# Altium PCB IDC_MCX_Adapter_flex.PCBDOC (part 1 of 4) (continued)
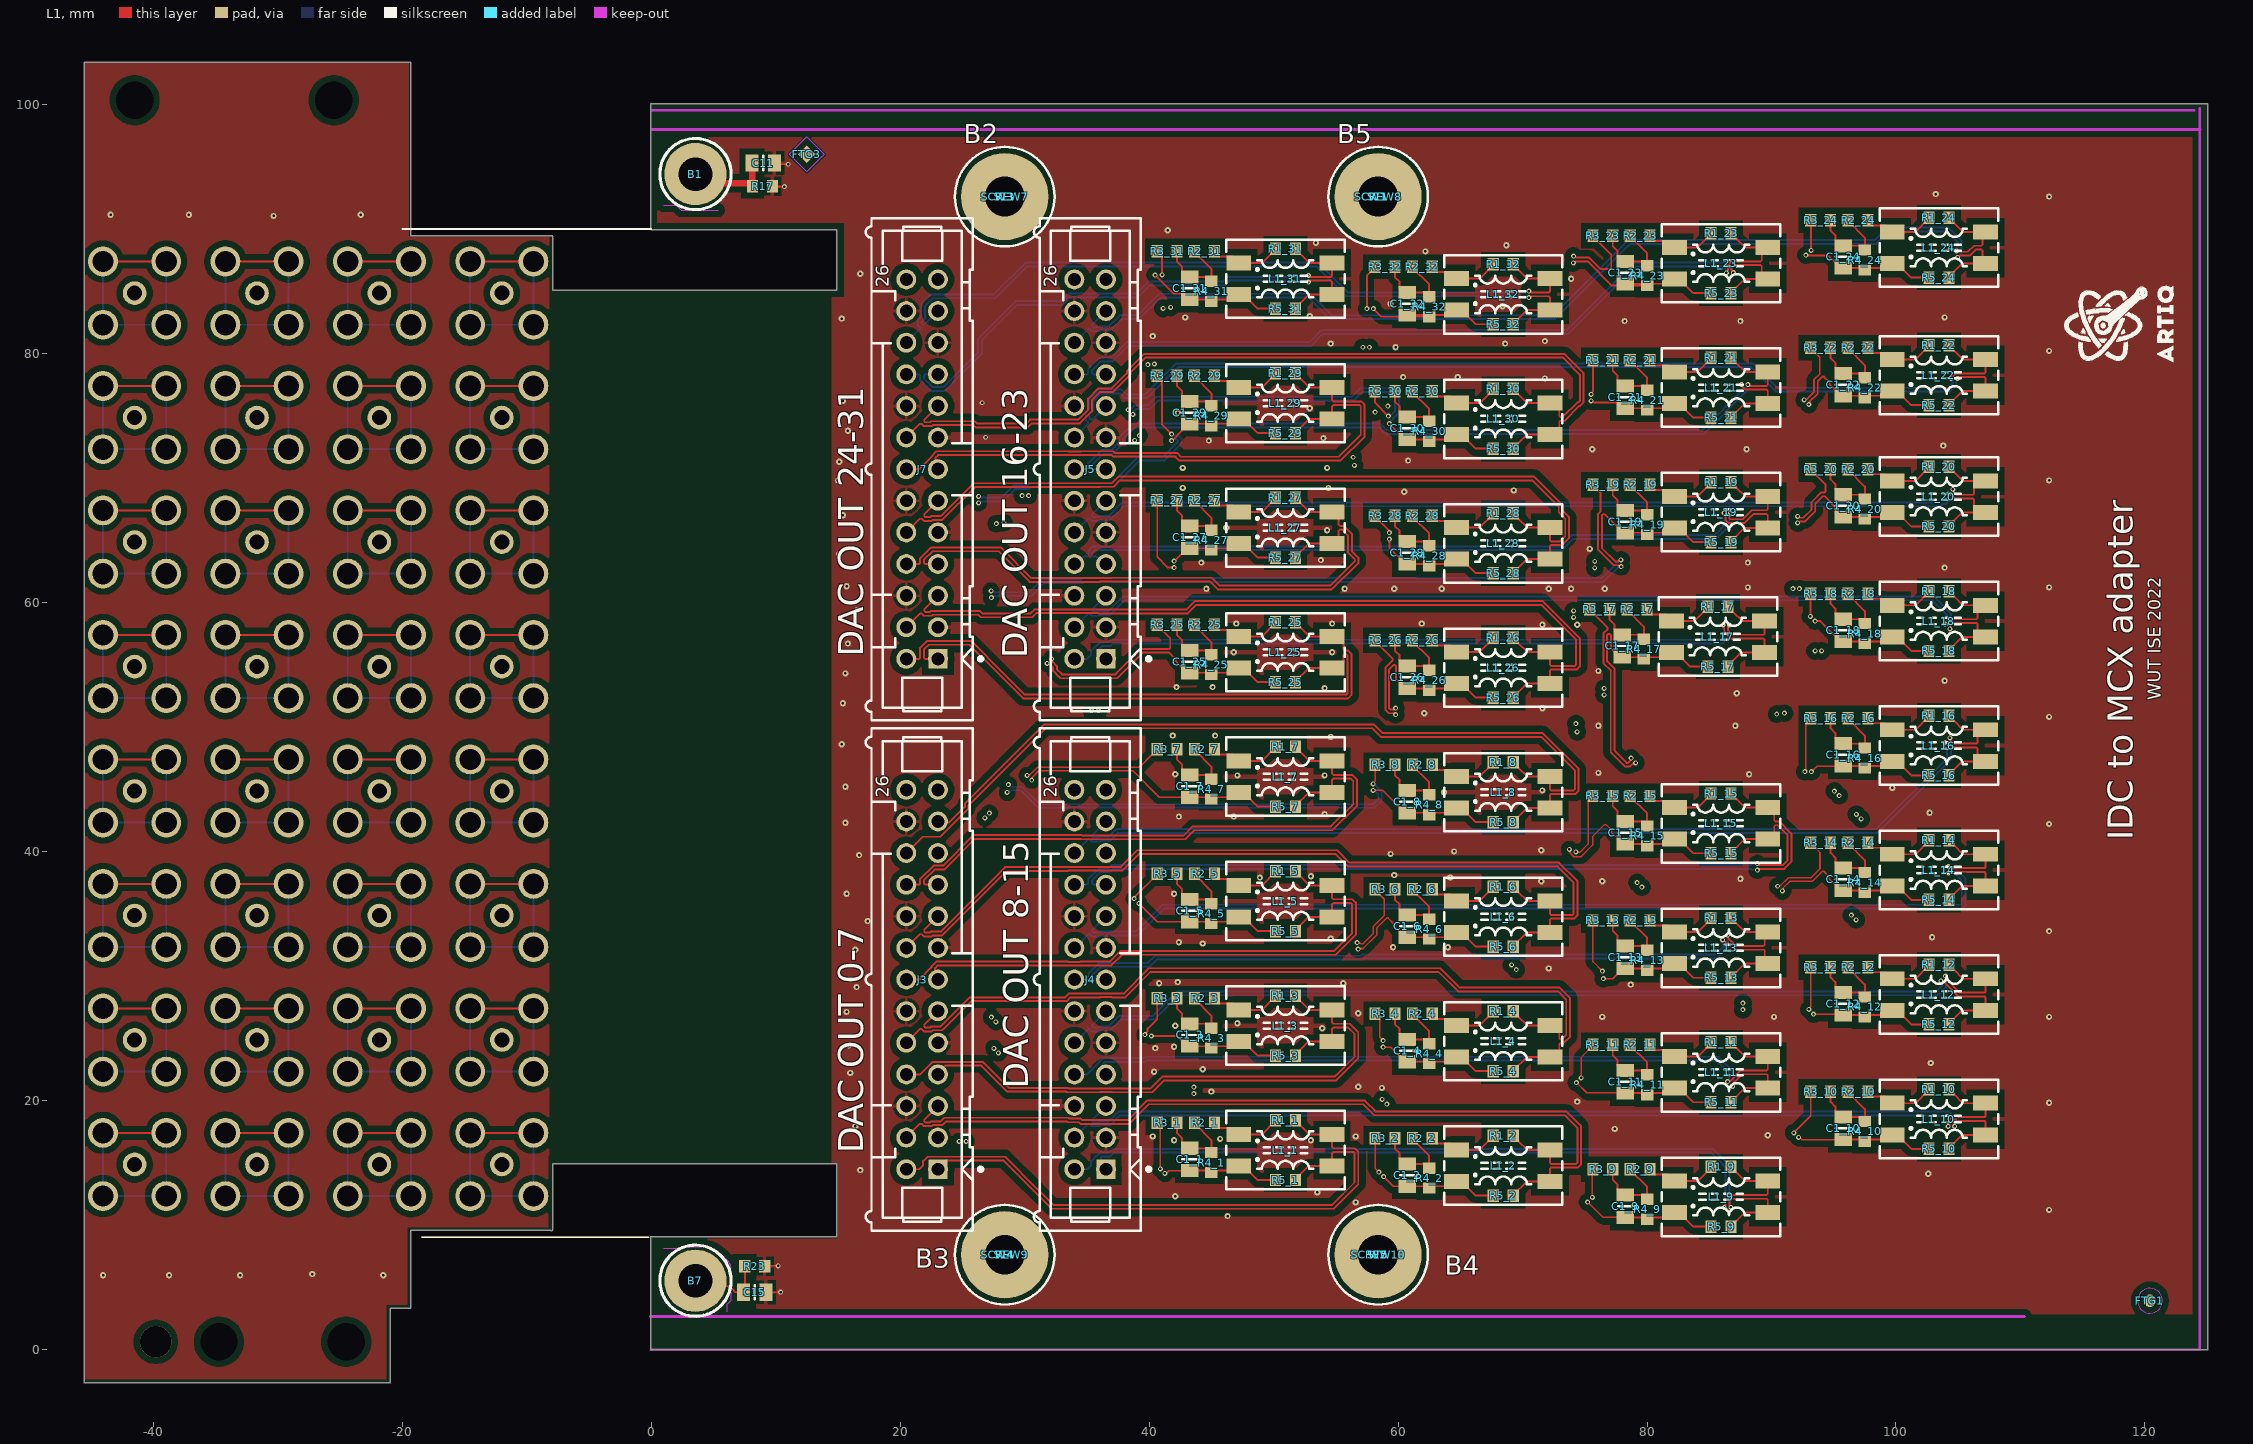
[diagram p0: L1 view]
## Components (designator, comment, footprint, x,y, rotation, side; value= is the part's Value field where it differs from the comment) (continued)
FTG4 "Use only in PCB" FIDUCIAL_TOP_S100-200 120,4.2 r90 bottom
J2 "ESW-113-23-L-D" SMTC-ESW-113-23-X-D 36.532,55.466 r90 bottom
J3 "Header 26" 3M_N2526-6002RB 21.763,29.706 r90 top locked
J4 "Header 26" 3M_N2526-6002RB 35.263,29.706 r90 top
J5 "Header 26" 3M_N2526-6002RB 35.263,70.706 r90 top locked
J6 "ESW-113-23-L-D" SMTC-ESW-113-23-X-D 36.532,14.466 r90 bottom
J7 "Header 26" 3M_N2526-6002RB 21.763,70.706 r90 top
J8 "ESW-113-23-L-D" SMTC-ESW-113-23-X-D 23.032,55.466 r90 bottom
J9 "ESW-113-23-L-D" SMTC-ESW-113-23-X-D 23.032,14.466 r90 bottom
J13 "MCX" AMPHENOL_919-109J-51PX -12,44.85 r90 bottom
J14 "MCX" AMPHENOL_919-109J-51PX -21.833,44.85 r90 bottom
J15 "MCX" AMPHENOL_919-109J-51PX -31.667,44.85 r90 bottom
J16 "MCX" AMPHENOL_919-109J-51PX -41.5,44.85 r90 bottom
J17 "MCX" AMPHENOL_919-109J-51PX -12,34.85 r90 bottom
J18 "MCX" AMPHENOL_919-109J-51PX -21.833,34.85 r90 bottom
J19 "MCX" AMPHENOL_919-109J-51PX -31.667,34.85 r90 bottom
J20 "MCX" AMPHENOL_919-109J-51PX -41.5,34.85 r90 bottom
J21 "MCX" AMPHENOL_919-109J-51PX -12,24.85 r90 bottom
J22 "MCX" AMPHENOL_919-109J-51PX -21.833,24.85 r90 bottom
J23 "MCX" AMPHENOL_919-109J-51PX -31.667,24.85 r90 bottom
J24 "MCX" AMPHENOL_919-109J-51PX -41.5,24.85 r90 bottom
J25 "MCX" AMPHENOL_919-109J-51PX -12,14.85 r90 bottom
J26 "MCX" AMPHENOL_919-109J-51PX -21.833,14.85 r90 bottom
J27 "MCX" AMPHENOL_919-109J-51PX -31.667,14.85 r90 bottom
J28 "MCX" AMPHENOL_919-109J-51PX -41.5,14.85 r90 bottom
J29 "MCX" AMPHENOL_919-109J-51PX -12,84.85 r180 bottom
J30 "MCX" AMPHENOL_919-109J-51PX -21.833,84.85 r90 bottom
J31 "MCX" AMPHENOL_919-109J-51PX -31.667,84.85 r90 bottom
J32 "MCX" AMPHENOL_919-109J-51PX -41.5,84.85 r90 bottom
J33 "MCX" AMPHENOL_919-109J-51PX -12,74.85 r90 bottom
J34 "MCX" AMPHENOL_919-109J-51PX -21.833,74.85 r90 bottom
J35 "MCX" AMPHENOL_919-109J-51PX -31.667,74.85 r90 bottom
J36 "MCX" AMPHENOL_919-109J-51PX -41.5,74.85 r90 bottom
J37 "MCX" AMPHENOL_919-109J-51PX -12,64.85 r90 bottom
J38 "MCX" AMPHENOL_919-109J-51PX -21.833,64.85 r90 bottom
J39 "MCX" AMPHENOL_919-109J-51PX -31.667,64.85 r90 bottom
J40 "MCX" AMPHENOL_919-109J-51PX -41.5,64.85 r90 bottom
J41 "MCX" AMPHENOL_919-109J-51PX -12,54.85 r90 bottom
J42 "MCX" AMPHENOL_919-109J-51PX -21.833,54.85 r90 bottom
J43 "MCX" AMPHENOL_919-109J-51PX -31.667,54.85 r90 bottom
J44 "MCX" AMPHENOL_919-109J-51PX -41.5,54.85 r180 bottom
L1_1 "2x6.5mH" IND_WURTH_WE-SL2 50.95,16 r0 top (schematic designator L1)
L1_2 "2x6.5mH" IND_WURTH_WE-SL2 68.45,14.75 r0 top (schematic designator L1)
L1_3 "2x6.5mH" IND_WURTH_WE-SL2 50.95,26 r0 top (schematic designator L1)
L1_4 "2x6.5mH" IND_WURTH_WE-SL2 68.45,24.75 r0 top (schematic designator L1)
L1_5 "2x6.5mH" IND_WURTH_WE-SL2 50.95,36 r0 top (schematic designator L1)
L1_6 "2x6.5mH" IND_WURTH_WE-SL2 68.45,34.75 r0 top (schematic designator L1)
L1_7 "2x6.5mH" IND_WURTH_WE-SL2 50.95,46 r0 top (schematic designator L1)
L1_8 "2x6.5mH" IND_WURTH_WE-SL2 68.45,44.75 r0 top (schematic designator L1)
L1_9 "2x6.5mH" IND_WURTH_WE-SL2 85.95,12.25 r0 top (schematic designator L1)
L1_10 "2x6.5mH" IND_WURTH_WE-SL2 103.45,18.5 r0 top (schematic designator L1)
L1_11 "2x6.5mH" IND_WURTH_WE-SL2 85.95,22.25 r0 top (schematic designator L1)
L1_12 "2x6.5mH" IND_WURTH_WE-SL2 103.45,28.5 r0 top (schematic designator L1)
L1_13 "2x6.5mH" IND_WURTH_WE-SL2 85.95,32.25 r0 top (schematic designator L1)
L1_14 "2x6.5mH" IND_WURTH_WE-SL2 103.45,38.5 r0 top (schematic designator L1)
L1_15 "2x6.5mH" IND_WURTH_WE-SL2 85.95,42.25 r0 top (schematic designator L1)
L1_16 "2x6.5mH" IND_WURTH_WE-SL2 103.45,48.5 r0 top (schematic designator L1)
L1_17 "2x6.5mH" IND_WURTH_WE-SL2 85.7,57.25 r0 top (schematic designator L1)
L1_18 "2x6.5mH" IND_WURTH_WE-SL2 103.45,58.5 r0 top (schematic designator L1)
L1_19 "2x6.5mH" IND_WURTH_WE-SL2 85.95,67.25 r0 top (schematic designator L1)
L1_20 "2x6.5mH" IND_WURTH_WE-SL2 103.45,68.5 r0 top (schematic designator L1)
L1_21 "2x6.5mH" IND_WURTH_WE-SL2 85.95,77.25 r0 top (schematic designator L1)
L1_22 "2x6.5mH" IND_WURTH_WE-SL2 103.45,78.25 r0 top (schematic designator L1)
L1_23 "2x6.5mH" IND_WURTH_WE-SL2 85.95,87.25 r0 top (schematic designator L1)
L1_24 "2x6.5mH" IND_WURTH_WE-SL2 103.45,88.5 r0 top (schematic designator L1)
L1_25 "2x6.5mH" IND_WURTH_WE-SL2 50.95,56 r0 top (schematic designator L1)
L1_26 "2x6.5mH" IND_WURTH_WE-SL2 68.45,54.75 r0 top (schematic designator L1)
L1_27 "2x6.5mH" IND_WURTH_WE-SL2 50.95,66 r0 top (schematic designator L1)
L1_28 "2x6.5mH" IND_WURTH_WE-SL2 68.45,64.75 r0 top (schematic designator L1)
L1_29 "2x6.5mH" IND_WURTH_WE-SL2 50.95,76 r0 top (schematic designator L1)
L1_30 "2x6.5mH" IND_WURTH_WE-SL2 68.45,74.75 r0 top (schematic designator L1)
L1_31 "2x6.5mH" IND_WURTH_WE-SL2 50.95,86 r0 top (schematic designator L1)
L1_32 "2x6.5mH" IND_WURTH_WE-SL2 68.45,84.75 r0 top (schematic designator L1)
R1_1 "0" RESC1608X55N 50.95,18.4 r0 top (schematic designator R1)
R1_2 "0" RESC1608X55N 68.45,17.15 r0 top (schematic designator R1)
R1_3 "0" RESC1608X55N 50.95,28.4 r0 top (schematic designator R1)
R1_4 "0" RESC1608X55N 68.45,27.15 r0 top (schematic designator R1)
R1_5 "0" RESC1608X55N 50.95,38.4 r0 top (schematic designator R1)
R1_6 "0" RESC1608X55N 68.45,37.15 r0 top (schematic designator R1)
R1_7 "0" RESC1608X55N 50.95,48.4 r0 top (schematic designator R1)
R1_8 "0" RESC1608X55N 68.45,47.15 r0 top (schematic designator R1)
R1_9 "0" RESC1608X55N 85.95,14.65 r0 top (schematic designator R1)
R1_10 "0" RESC1608X55N 103.45,20.9 r0 top (schematic designator R1)
R1_11 "0" RESC1608X55N 85.95,24.65 r0 top (schematic designator R1)
R1_12 "0" RESC1608X55N 103.45,30.9 r0 top (schematic designator R1)
R1_13 "0" RESC1608X55N 85.95,34.65 r0 top (schematic designator R1)
R1_14 "0" RESC1608X55N 103.45,40.9 r0 top (schematic designator R1)
R1_15 "0" RESC1608X55N 85.95,44.65 r0 top (schematic designator R1)
R1_16 "0" RESC1608X55N 103.45,50.9 r0 top (schematic designator R1)
R1_17 "0" RESC1608X55N 85.7,59.65 r0 top (schematic designator R1)
R1_18 "0" RESC1608X55N 103.45,60.9 r0 top (schematic designator R1)
R1_19 "0" RESC1608X55N 85.95,69.65 r0 top (schematic designator R1)
R1_20 "0" RESC1608X55N 103.45,70.9 r0 top (schematic designator R1)
R1_21 "0" RESC1608X55N 85.95,79.65 r0 top (schematic designator R1)
R1_22 "0" RESC1608X55N 103.45,80.65 r0 top (schematic designator R1)
R1_23 "0" RESC1608X55N 85.95,89.65 r0 top (schematic designator R1)
R1_24 "0" RESC1608X55N 103.45,90.9 r0 top (schematic designator R1)
R1_25 "0" RESC1608X55N 50.95,58.4 r0 top (schematic designator R1)
R1_26 "0" RESC1608X55N 68.45,57.15 r0 top (schematic designator R1)
R1_27 "0" RESC1608X55N 50.95,68.4 r0 top (schematic designator R1)
R1_28 "0" RESC1608X55N 68.45,67.15 r0 top (schematic designator R1)
R1_29 "0" RESC1608X55N 50.95,78.4 r0 top (schematic designator R1)
R1_30 "0" RESC1608X55N 68.45,77.15 r0 top (schematic designator R1)
R1_31 "0" RESC1608X55N 50.95,88.4 r0 top (schematic designator R1)
R1_32 "0" RESC1608X55N 68.45,87.15 r0 top (schematic designator R1)
R2_1 "0" RESC1608X55N 44.45,18.2 r0 top (schematic designator R2)
R2_2 "0" RESC1608X55N 61.95,16.95 r0 top (schematic designator R2)
R2_3 "0" RESC1608X55N 44.45,28.2 r0 top (schematic designator R2)
R2_4 "0" RESC1608X55N 61.95,26.95 r0 top (schematic designator R2)
R2_5 "0" RESC1608X55N 44.45,38.2 r0 top (schematic designator R2)
R2_6 "0" RESC1608X55N 61.95,36.95 r0 top (schematic designator R2)
R2_7 "0" RESC1608X55N 44.45,48.2 r0 top (schematic designator R2)
R2_8 "0" RESC1608X55N 61.95,46.95 r0 top (schematic designator R2)
R2_9 "0" RESC1608X55N 79.45,14.45 r0 top (schematic designator R2)
R2_10 "0" RESC1608X55N 96.95,20.7 r0 top (schematic designator R2)
R2_11 "0" RESC1608X55N 79.45,24.45 r0 top (schematic designator R2)
R2_12 "0" RESC1608X55N 96.95,30.7 r0 top (schematic designator R2)
R2_13 "0" RESC1608X55N 79.45,34.45 r0 top (schematic designator R2)
R2_14 "0" RESC1608X55N 96.95,40.7 r0 top (schematic designator R2)
R2_15 "0" RESC1608X55N 79.45,44.45 r0 top (schematic designator R2)
R2_16 "0" RESC1608X55N 96.95,50.7 r0 top (schematic designator R2)
R2_17 "0" RESC1608X55N 79.2,59.45 r0 top (schematic designator R2)
R2_18 "0" RESC1608X55N 96.95,60.7 r0 top (schematic designator R2)
R2_19 "0" RESC1608X55N 79.45,69.45 r0 top (schematic designator R2)
R2_20 "0" RESC1608X55N 96.95,70.7 r0 top (schematic designator R2)
R2_21 "0" RESC1608X55N 79.45,79.45 r0 top (schematic designator R2)
R2_22 "0" RESC1608X55N 96.95,80.45 r0 top (schematic designator R2)
R2_23 "0" RESC1608X55N 79.45,89.45 r0 top (schematic designator R2)
R2_24 "0" RESC1608X55N 96.95,90.7 r0 top (schematic designator R2)
R2_25 "0" RESC1608X55N 44.45,58.2 r0 top (schematic designator R2)
R2_26 "0" RESC1608X55N 61.95,56.95 r0 top (schematic designator R2)
R2_27 "0" RESC1608X55N 44.45,68.2 r0 top (schematic designator R2)
R2_28 "0" RESC1608X55N 61.95,66.95 r0 top (schematic designator R2)
R2_29 "0" RESC1608X55N 44.45,78.2 r0 top (schematic designator R2)
R2_30 "0" RESC1608X55N 61.95,76.95 r0 top (schematic designator R2)
R2_31 "0" RESC1608X55N 44.45,88.2 r0 top (schematic designator R2)
R2_32 "0" RESC1608X55N 61.95,86.95 r0 top (schematic designator R2)
R3_1 "0" RESC1608X55N 41.45,18.2 r0 top (schematic designator R3)
R3_2 "0" RESC1608X55N 58.95,16.95 r0 top (schematic designator R3)
R3_3 "0" RESC1608X55N 41.45,28.2 r0 top (schematic designator R3)
R3_4 "0" RESC1608X55N 58.95,26.95 r0 top (schematic designator R3)
R3_5 "0" RESC1608X55N 41.45,38.2 r0 top (schematic designator R3)
R3_6 "0" RESC1608X55N 58.95,36.95 r0 top (schematic designator R3)
R3_7 "0" RESC1608X55N 41.45,48.2 r0 top (schematic designator R3)
R3_8 "0" RESC1608X55N 58.95,46.95 r0 top (schematic designator R3)
R3_9 "0" RESC1608X55N 76.45,14.45 r0 top (schematic designator R3)
R3_10 "0" RESC1608X55N 93.95,20.7 r0 top (schematic designator R3)
R3_11 "0" RESC1608X55N 76.45,24.45 r0 top (schematic designator R3)
R3_12 "0" RESC1608X55N 93.95,30.7 r0 top (schematic designator R3)
R3_13 "0" RESC1608X55N 76.45,34.45 r0 top (schematic designator R3)
R3_14 "0" RESC1608X55N 93.95,40.7 r0 top (schematic designator R3)
R3_15 "0" RESC1608X55N 76.45,44.45 r0 top (schematic designator R3)
R3_16 "0" RESC1608X55N 93.95,50.7 r0 top (schematic designator R3)
R3_17 "0" RESC1608X55N 76.2,59.45 r0 top (schematic designator R3)
R3_18 "0" RESC1608X55N 93.95,60.7 r0 top (schematic designator R3)
R3_19 "0" RESC1608X55N 76.45,69.45 r0 top (schematic designator R3)
R3_20 "0" RESC1608X55N 93.95,70.7 r0 top (schematic designator R3)
R3_21 "0" RESC1608X55N 76.45,79.45 r0 top (schematic designator R3)
R3_22 "0" RESC1608X55N 93.95,80.45 r0 top (schematic designator R3)
R3_23 "0" RESC1608X55N 76.45,89.45 r0 top (schematic designator R3)
R3_24 "0" RESC1608X55N 93.95,90.7 r0 top (schematic designator R3)
R3_25 "0" RESC1608X55N 41.45,58.2 r0 top (schematic designator R3)
R3_26 "0" RESC1608X55N 58.95,56.95 r0 top (schematic designator R3)
R3_27 "0" RESC1608X55N 41.45,68.2 r0 top (schematic designator R3)
R3_28 "0" RESC1608X55N 58.95,66.95 r0 top (schematic designator R3)
R3_29 "0" RESC1608X55N 41.45,78.2 r0 top (schematic designator R3)
R3_30 "0" RESC1608X55N 58.95,76.95 r0 top (schematic designator R3)
R3_31 "0" RESC1608X55N 41.45,88.2 r0 top (schematic designator R3)
R3_32 "0" RESC1608X55N 58.95,86.95 r0 top (schematic designator R3)
R4_1 "Undefined" RESC1608X55N 45,15 r90 top (schematic designator R4)
R4_2 "Undefined" RESC1608X55N 62.5,13.75 r90 top (schematic designator R4)
R4_3 "Undefined" RESC1608X55N 45,25 r90 top (schematic designator R4)
R4_4 "Undefined" RESC1608X55N 62.5,23.75 r90 top (schematic designator R4)
R4_5 "Undefined" RESC1608X55N 45,35 r90 top (schematic designator R4)
R4_6 "Undefined" RESC1608X55N 62.5,33.75 r90 top (schematic designator R4)
R4_7 "Undefined" RESC1608X55N 45,45 r90 top (schematic designator R4)
R4_8 "Undefined" RESC1608X55N 62.5,43.75 r90 top (schematic designator R4)
R4_9 "Undefined" RESC1608X55N 80,11.25 r90 top (schematic designator R4)
R4_10 "Undefined" RESC1608X55N 97.5,17.5 r90 top (schematic designator R4)
R4_11 "Undefined" RESC1608X55N 80,21.25 r90 top (schematic designator R4)
R4_12 "Undefined" RESC1608X55N 97.5,27.5 r90 top (schematic designator R4)
R4_13 "Undefined" RESC1608X55N 80,31.25 r90 top (schematic designator R4)
R4_14 "Undefined" RESC1608X55N 97.5,37.5 r90 top (schematic designator R4)
R4_15 "Undefined" RESC1608X55N 80,41.25 r90 top (schematic designator R4)
R4_16 "Undefined" RESC1608X55N 97.5,47.5 r90 top (schematic designator R4)
R4_17 "Undefined" RESC1608X55N 79.75,56.25 r90 top (schematic designator R4)
R4_18 "Undefined" RESC1608X55N 97.5,57.5 r90 top (schematic designator R4)
R4_19 "Undefined" RESC1608X55N 80,66.25 r90 top (schematic designator R4)
R4_20 "Undefined" RESC1608X55N 97.5,67.5 r90 top (schematic designator R4)
R4_21 "Undefined" RESC1608X55N 80,76.25 r90 top (schematic designator R4)
R4_22 "Undefined" RESC1608X55N 97.5,77.25 r90 top (schematic designator R4)
R4_23 "Undefined" RESC1608X55N 80,86.25 r90 top (schematic designator R4)
R4_24 "Undefined" RESC1608X55N 97.5,87.5 r90 top (schematic designator R4)
R4_25 "Undefined" RESC1608X55N 45,55 r90 top (schematic designator R4)
R4_26 "Undefined" RESC1608X55N 62.5,53.75 r90 top (schematic designator R4)
R4_27 "Undefined" RESC1608X55N 45,65 r90 top (schematic designator R4)
R4_28 "Undefined" RESC1608X55N 62.5,63.75 r90 top (schematic designator R4)
R4_29 "Undefined" RESC1608X55N 45,75 r90 top (schematic designator R4)
R4_30 "Undefined" RESC1608X55N 62.5,73.75 r90 top (schematic designator R4)
R4_31 "Undefined" RESC1608X55N 45,85 r90 top (schematic designator R4)
R4_32 "Undefined" RESC1608X55N 62.5,83.75 r90 top (schematic designator R4)
R5_1 "0" RESC1608X55N 50.95,13.6 r0 top (schematic designator R5)
R5_2 "0" RESC1608X55N 68.45,12.35 r0 top (schematic designator R5)
R5_3 "0" RESC1608X55N 50.95,23.6 r0 top (schematic designator R5)
R5_4 "0" RESC1608X55N 68.45,22.35 r0 top (schematic designator R5)
R5_5 "0" RESC1608X55N 50.95,33.6 r0 top (schematic designator R5)
R5_6 "0" RESC1608X55N 68.45,32.35 r0 top (schematic designator R5)
R5_7 "0" RESC1608X55N 50.95,43.6 r0 top (schematic designator R5)
R5_8 "0" RESC1608X55N 68.45,42.35 r0 top (schematic designator R5)
R5_9 "0" RESC1608X55N 85.95,9.85 r0 top (schematic designator R5)
R5_10 "0" RESC1608X55N 103.45,16.1 r0 top (schematic designator R5)
R5_11 "0" RESC1608X55N 85.95,19.85 r0 top (schematic designator R5)
R5_12 "0" RESC1608X55N 103.45,26.1 r0 top (schematic designator R5)
R5_13 "0" RESC1608X55N 85.95,29.85 r0 top (schematic designator R5)
R5_14 "0" RESC1608X55N 103.45,36.1 r0 top (schematic designator R5)
R5_15 "0" RESC1608X55N 85.95,39.85 r0 top (schematic designator R5)
R5_16 "0" RESC1608X55N 103.45,46.1 r0 top (schematic designator R5)
R5_17 "0" RESC1608X55N 85.7,54.85 r0 top (schematic designator R5)
R5_18 "0" RESC1608X55N 103.45,56.1 r0 top (schematic designator R5)
R5_19 "0" RESC1608X55N 85.95,64.85 r0 top (schematic designator R5)
R5_20 "0" RESC1608X55N 103.45,66.1 r0 top (schematic designator R5)
R5_21 "0" RESC1608X55N 85.95,74.85 r0 top (schematic designator R5)
R5_22 "0" RESC1608X55N 103.45,75.85 r0 top (schematic designator R5)
R5_23 "0" RESC1608X55N 85.95,84.85 r0 top (schematic designator R5)
R5_24 "0" RESC1608X55N 103.45,86.1 r0 top (schematic designator R5)
R5_25 "0" RESC1608X55N 50.95,53.6 r0 top (schematic designator R5)
R5_26 "0" RESC1608X55N 68.45,52.35 r0 top (schematic designator R5)
R5_27 "0" RESC1608X55N 50.95,63.6 r0 top (schematic designator R5)
R5_28 "0" RESC1608X55N 68.45,62.35 r0 top (schematic designator R5)
R5_29 "0" RESC1608X55N 50.95,73.6 r0 top (schematic designator R5)
R5_30 "0" RESC1608X55N 68.45,72.35 r0 top (schematic designator R5)
R5_31 "0" RESC1608X55N 50.95,83.6 r0 top (schematic designator R5)
R5_32 "0" RESC1608X55N 68.45,82.35 r0 top (schematic designator R5)
R17 "0" RESC1608X55N 8.942,93.44 r180 top
R23 "0" RESC1608X55N 8.324,6.673 r180 top
S1 "9774035243" 9774035243 -34.725,0.6 r0 bottom
S2 "9774035243" 9774035243 -24.5,0.6 r0 bottom
S3 "9774035243" 9774035243 -25.5,100.35 r0 bottom
S4 "9774035243" 9774035243 -41.5,100.35 r0 bottom
SCREW3 "M3x6" BOSSARD_BN5687-3061605_v 28.4,92.6 r180 bottom
SCREW4 "M3x6" BOSSARD_BN5687-3061605_v 58.4,7.6 r180 bottom
SCREW5 "M3x6" BOSSARD_BN5687-3061605_v 28.4,7.6 r180 bottom
SCREW6 "M3x6" BOSSARD_BN5687-3061605_v 58.4,92.6 r180 bottom
SCREW7 "M3x6" BOSSARD_BN5687-3061605_v 28.4,92.6 r0 top
SCREW8 "M3x6" BOSSARD_BN5687-3061605_v 58.4,92.6 r0 top
SCREW9 "M3x6" BOSSARD_BN5687-3061605_v 28.4,7.6 r0 top
SCREW10 "M3x6" BOSSARD_BN5687-3061605_v 58.4,7.6 r0 top
ST1 "M3 18mm" R30-1001802 58.4,92.6 r0 top
ST3 "M3 18mm" R30-1001802 28.4,92.6 r0 top
ST4 "M3 18mm" R30-1001802 28.4,7.6 r0 top
ST5 "M3 18mm" R30-1001802 58.4,7.6 r0 top
W1 "washer_M3_6mm_0.8mm" washer_M3_6mm_0.8mm 58.4,92.6 r0 top
W2 "washer_M3_6mm_0.8mm" washer_M3_6mm_0.8mm 58.4,7.6 r0 top
W3 "washer_M3_6mm_0.8mm" washer_M3_6mm_0.8mm 28.4,92.6 r0 top
W4 "washer_M3_6mm_0.8mm" washer_M3_6mm_0.8mm 28.4,7.6 r0 top

## Footprints (in the part's own frame and the unit in brackets; to place one, negate y for a bottom-side part, rotate by r counter-clockwise, add the part's x,y. Pads: shape width x height; smd on the part's side, far side on the other; paste and mask are expansions set on the pad)
3M_N2526-6002RB [mm] "26 Contacts - Straight .100\" x .100\" Low Profile Four-Wall Header"
  round 1.6 hole 1: 1(-15.24,-1.27) 2(-15.24,1.27) 3(-12.7,-1.27) 4(-12.7,1.27) 5(-10.16,-1.27) 6(-10.16,1.27) 7(-7.62,-1.27) 8(-7.62,1.27) 9(-5.08,-1.27) 10(-5.08,1.27) 11(-2.54,-1.27) 12(-2.54,1.27) 13(0,-1.27) 14(0,1.27) 15(2.54,-1.27) 16(2.54,1.27) 17(5.08,-1.27) 18(5.08,1.27) 19(7.62,-1.27) 20(7.62,1.27) 21(10.16,-1.27) 22(10.16,1.27) 23(12.7,-1.27) 24(12.7,1.27) 25(15.24,-1.27) 26(15.24,1.27)
  silkscreen extent -20.17,-4.85 20.17,4.52, body extent -20.17,-4.11 20.17,4.52, height 9.91
9774035243 [mm] "SMD Steel Spacer with internal Thread"
  round 5.3 smd paste-576.133: 1(0,0)
  round 0 hole 3 unplated: ""(0,0)
  body extent -2.17,-2.17 2.18,2.17, height 3.5
AMPHENOL_919-109J-51PX [mm] "50 Ohm, RF Connector, MCX Straight PCB Receptacle Jack"
  round 1.9 hole 1.2: 1(0,0)
  round 2.4 hole 1.7: 2(-2.54,-2.54) 2(-2.54,2.54) 2(2.54,-2.54) 2(2.54,2.54)
  silkscreen extent -3,-3 3,3, body extent -3,-3 3,3, height 6.06
BOSSARD_BN5687-3061605_v [mm] "M3 L=6mm Hexalobular Socket Pan Head Screw, Fully Threaded - Stainless Steel A2"
  silkscreen extent -4,-4 4,4, body extent -2.8,-2.8 2.8,2.8, height 22.9
CAPC2012X135N [mm] "Chip Capacitor, Body 2.0x1.25mm, IPC Medium Density"
  rect 1.05x1.4 smd: 1(-0.9,0) 2(0.9,0)
  silkscreen extent 0,-0.58 0,0.58, body extent -1.05,-0.67 1.05,0.68, height 1.25
FIDUCIAL_TOP_C100-200 [mm] "Round Fiducial Target, Top Layer, 1.0mm, Top Solder 2.0mm, Keepout =2.0mm"
  round 1 smd paste-0.51 mask+0.5: FTG2(0,0)
  L1 keep-out circle w0.1: c0,0 r1
FIDUCIAL_TOP_S100-200 [mm] "Square Fiducial Target, Top Layer, 1.0mm, Top Solder 2.0mm, Keepout =2.0mm"
  rect 1x1 smd rot 45 paste-0.51 mask+0.5: 1(0,0)
  L1 keep-out region: 1.414,0 0,-1.414 -1.414,0 0,1.414
IND_WURTH_WE-SL2 [mm] "Common Mode SMD Line Filter WE-SL2"
  rect 2x1.2 smd: 1(-3.75,1.27) 2(-3.75,-1.27) 3(3.75,-1.27) 4(3.75,1.27)
  silkscreen extent -4.75,-3.15 4.75,3.15, body extent -4.75,-3.15 4.75,3.15, height 5.3
MTG270_500 [mm] "Plated Through Hole: Hole Dia.=2.7mm Pad Dia.=5.0mm"
  round 5 / inner round 4 / far side round 5 hole 2.7: 1(0,0)
MTG320_700 [mm] "Plated Through Hole: Hole Dia.=3.2mm Pad Dia.=7.0mm"
  round 7 hole 3.2: 1(0,0)
R30-1001802 [mm] "Harwin R30-100 18mm hex standoff"
  body extent -2.83,-2.45 2.83,2.45, height 18.8
RESC1608X55N [mm] "Chip Resistor, EIA 0603, Metric 1608, Body 1.6x0.8mm, IPC Medium Density"
  rect 0.9x1 smd: 1(-0.8,0) 2(0.8,0)
  body extent -0.87,-0.47 0.88,0.48, height 0.55
SMTC-ESW-113-23-X-D [mm] "Elevated Socket, 2x13 Pins, Vertical, 2.54mm Pitch, Female"
  rect 1.55x1.55 hole 1.04: 1(0,0)
  round 1.55 hole 1.04: 2(0,-2.54) 3(2.54,0) 4(2.54,-2.54) 5(5.08,0) 6(5.08,-2.54) 7(7.62,0) 8(7.62,-2.54) 9(10.16,0) 10(10.16,-2.54) 11(12.7,0) 12(12.7,-2.54) 13(15.24,0) 14(15.24,-2.54) 15(17.78,0) 16(17.78,-2.54) 17(20.32,0) 18(20.32,-2.54) 19(22.86,0) 20(22.86,-2.54) 21(25.4,0) 22(25.4,-2.54) 23(27.94,0) 24(27.94,-2.54) 25(30.48,0) 26(30.48,-2.54)
  silkscreen extent -1.65,-3.74 32.13,1.2, body extent -1.52,-3.81 32,1.27, height 13.59
washer_M3_6mm_0.8mm [mm] "M3 washer accu HAFZ-M3-A4"
  body extent -3,-3 3,3, height 0.8